# KiCad board beat_sequencer_choc.kicad_pcb (continued)
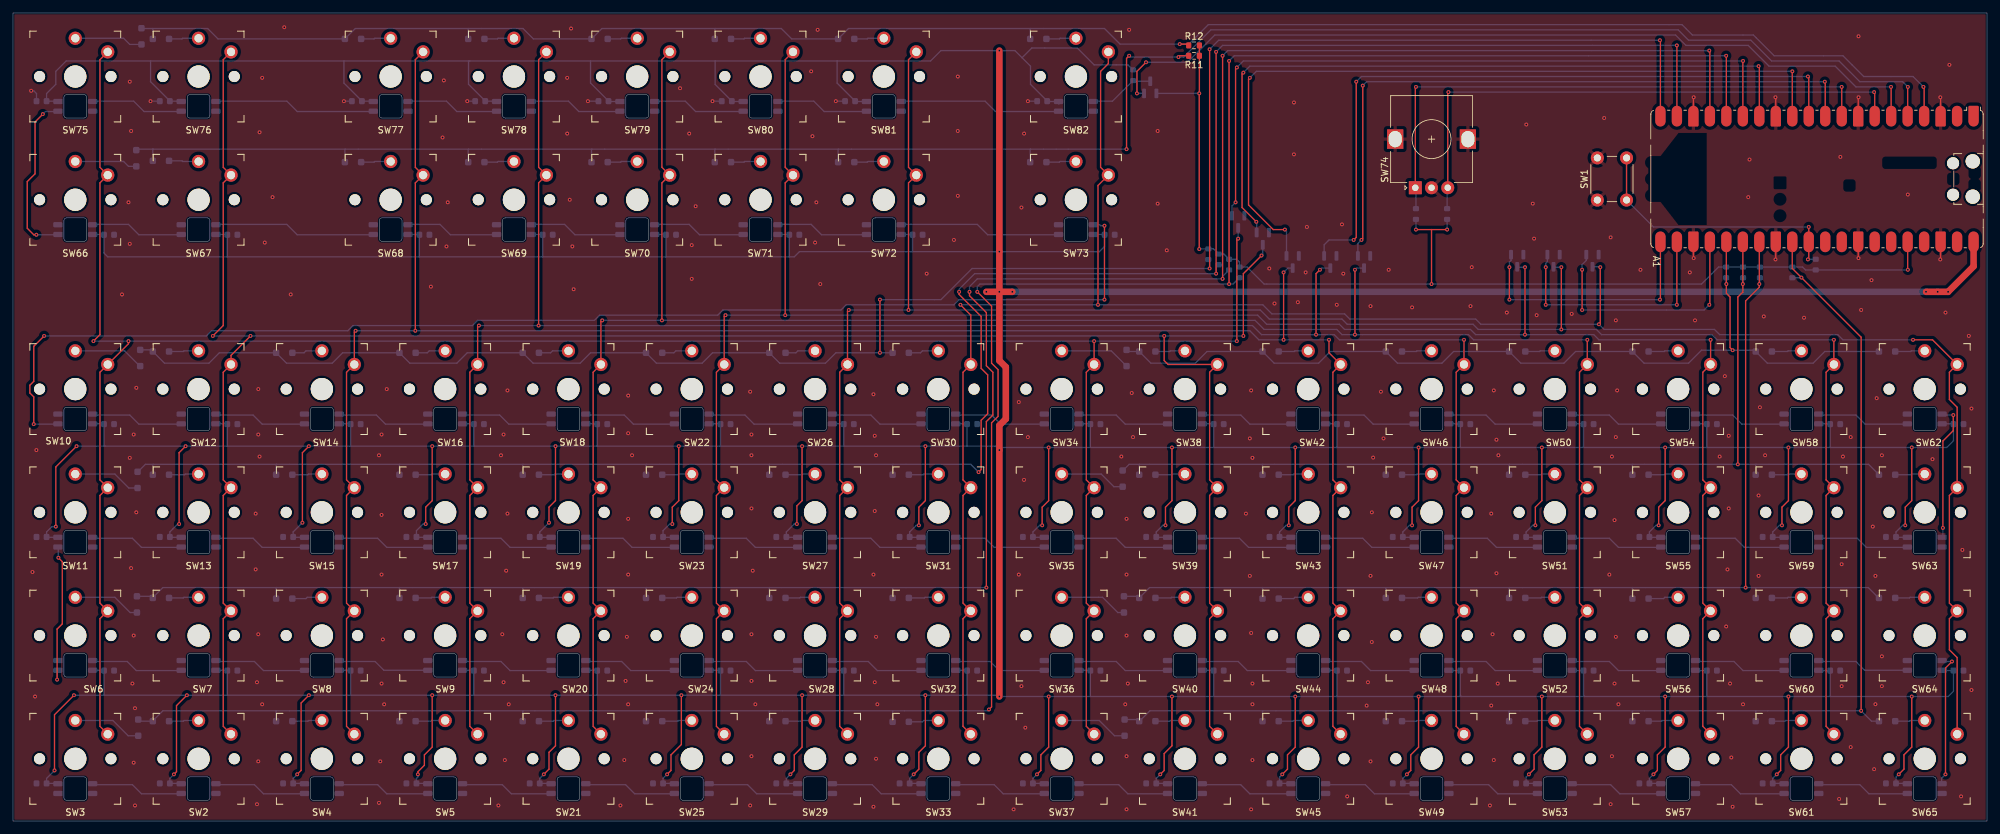
[diagram p0: board, top side]
## Routing (per net, layer and track width the routed paths; a pad name or vN(x,y) marks a point on that pad's centre or on a via; arc(x,y) is an arc through that point) (continued)
R7: length 181.3
  Top w0.2: A1.27 v1(269.11,82.8) 269.11,82.31 267,80.2 v1(267,36)
  Bottom w0.2: 268.6,36 v1(267,36) 249.6,36 ; 268.6,36 268.55,35.95 D151.2 ; 268.6,36 285.9,36 287.5,34.4 D152.2 ; 211.6,36 211.55,35.95 D148.2 ; 211.6,36 192.6,36 ; 211.6,36 230.6,36 ; 230.6,36 230.55,35.95 D149.2 ; 230.6,36 249.6,36 ; 192.6,36 192.55,35.95 D147.2 ; 192.6,36 175.15,36 D146.2 173.3,34.65 D145.2 ; v1(269.11,82.8) 269.2,82.89 R8.2 ; 249.6,36 249.55,35.95 D150.2
R8: length 204.1
  Top w0.2: 284.8,16.8 v1(284.8,17) 284.8,74.6 v1(275.6,83.8) 274.19,85.21 A1.29
  Bottom w0.2: 249.6,17 249.55,16.95 D158.2 ; 249.6,17 268.6,17 ; 249.6,17 230.6,17 ; D155.2 192.55,16.95 192.6,17 ; 268.6,17 v1(284.8,17) 286.4,15.4 D160.2 ; 268.6,17 268.55,16.95 D159.2 ; 192.6,17 175.2,17 173.6,15.4 D154.2 173.3,15.65 D153.2 ; 192.6,17 211.6,17 ; v1(275.6,83.8) 275.58,83.77 R9.2 ; 211.6,17 230.6,17 ; 211.6,17 211.55,16.95 D156.2 ; D157.2 230.55,16.95 230.6,17
R9: length 312.8
  Top w0.2: v1(172,118) 171.6,117.6 v1(171.6,103.6) ; A1.5 291.97,113.17 v1(292,113.2) ; R11.2 179.8,118 v1(179.6,117.8)
  Bottom w0.2: D121.2 19.15,103.6 21.6,103.6 ; 108.2,103.6 108.15,103.55 D126.2 ; 108.2,103.6 89.2,103.6 ; 108.2,103.6 127.2,103.6 ; v1(292,113.2) 291.2,114 284.6,114 281.4,117.2 271,117.2 267.8,120.4 258.2,120.4 256.6,122 184.6,122 180.4,117.8 v1(179.6,117.8) 172.2,117.8 v1(172,118) ; 21.6,103.6 21.55,103.6 D122.2 ; 21.6,103.6 51.2,103.6 ; 89.2,103.6 89.15,103.55 D125.2 ; 89.2,103.6 70.2,103.6 ; 127.2,103.6 156.8,103.6 ; 127.2,103.6 127.15,103.55 D127.2 ; D128.2 156.75,103.55 156.8,103.6 ; 51.2,103.6 51.15,103.55 D123.2 ; 51.2,103.6 70.2,103.6 ; v1(171.6,103.6) 156.8,103.6 ; 70.2,103.6 70.15,103.55 D124.2
R10: length 297.3
  Top w0.2: R12.2 180.97,119.8 v1(179.8,119.8) ; A1.4 294.51,113.09 v1(294.4,113.2)
  Bottom w0.2: 70.2,122.2 52.75,122.2 D115.2 31.6,120.6 30,122.2 21.55,122.2 ; 70.2,122.2 78.6,122.2 80.2,120.6 D117.2 90.75,122.2 108.2,122.2 ; 70.2,122.2 70.15,122.15 D116.2 ; 156.8,122.2 128.75,122.2 D119.2 120,120.6 118.4,122.2 108.2,122.2 ; 156.8,122.2 156.75,122.15 D120.2 ; 156.8,122.2 168.2,122.2 170.6,119.8 v1(179.8,119.8) 181.2,119.8 184.2,122.8 257.2,122.8 258.8,121.2 268.2,121.2 271.4,118 282,118 285.2,114.8 292.8,114.8 v1(294.4,113.2) ; 21.55,122.2 19.85,122.2 D113.2 ; 21.55,122.2 D114.2 ; D118.2 108.15,122.15 108.2,122.2
RENC_A: length 89
  Top w0.2: v1(216.2,113.2) 216.1,113.1 SW74.A ; v1(281.8,113.2) 281.81,113.19 A1.9
  Bottom w0.2: v1(281.8,113.2) v1(216.2,113.2) ; 216.2,94.42 216.2,97.55 SW74.A
RENC_B: length 87.4
  Top w0.2: v1(221.2,112.4) 221.1,112.3 SW74.B ; A1.7 286.89,112.31 v1(286.8,112.4)
  Bottom w0.2: SW74.B 221,97.55 221,94.42 ; v1(286.8,112.4) v1(221.2,112.4)
RST: length 42.6
  Top w0.2: SW1.2 SW1.2 ; v1(276.6,86.6) 276.73,86.73 A1.30 v1(276.73,91.6)
  Bottom w0.2: SW1.2 252.8,91.6 v1(276.73,91.6) ; R1.2 276.62,86.62 v1(276.6,86.6)
Net-(D1-DIN): length 9.7
  Bottom w0.2: 166.87,111 169.42,111 R10.2 172.7,114.07 Q1.3
Net-(D1-DOUT): length 24.2
  Bottom w0.2: 160.82,109.4 151.4,109.4 149.8,111 137.27,111
Net-(D2-DOUT): length 13.6
  Bottom w0.2: 131.22,109.4 125,109.4 123.4,111 118.27,111
Net-(D3-DOUT): length 13.6
  Bottom w0.2: 112.22,109.4 105.2,109.4 103.6,111 99.27,111
Net-(D4-DOUT): length 13.6
  Bottom w0.2: 80.27,111 85.6,111 87.2,109.4 93.22,109.4
Net-(D5-DOUT): length 13.6
  Bottom w0.2: 61.27,111 66.8,111 68.4,109.4 74.22,109.4
Net-(D6-DOUT): length 24.2
  Bottom w0.2: 31.67,111 42.2,111 43.8,109.4 55.23,109.4
Net-(D7-DOUT): length 13.6
  Bottom w0.2: 25.63,109.4 20.2,109.4 18.6,111 12.67,111
Net-(D8-DOUT): length 25.6
  Top w0.2: v1(4.6,109) 3.4,107.8 3.4,99.8 2.2,98.6 2.2,91.4 3.2,90.4 v1(3.6,90.4)
  Bottom w0.2: 6.62,109.4 5,109.4 v1(4.6,109) ; v1(3.6,90.4) 6.62,90.4
Net-(D10-DIN): length 13.6
  Bottom w0.2: 12.68,92 17.8,92 19.4,90.4 25.62,90.4
Net-(D10-DOUT): length 24.2
  Bottom w0.2: 55.22,90.4 43.8,90.4 42.2,92 31.68,92
Net-(D11-DOUT): length 13.6
  Bottom w0.2: 74.22,90.4 67.4,90.4 65.8,92 61.27,92
Net-(D12-DOUT): length 13.6
  Bottom w0.2: 80.28,92 85,92 86.6,90.4 93.22,90.4
Net-(D13-DOUT): length 13.6
  Bottom w0.2: 99.28,92 104.2,92 105.8,90.4 112.22,90.4
Net-(D14-DOUT): length 13.6
  Bottom w0.2: 118.28,92 123,92 124.6,90.4 131.22,90.4
Net-(D15-DOUT): length 24.2
  Bottom w0.2: 137.28,92 148.6,92 150.2,90.4 160.82,90.4
Net-(D16-DOUT): length 196.7
  Top w0.2: v1(4.8,74.8) 3.2,73.2 3.2,67.8 2.6,67.2 2.6,66 3.2,65.4 v1(3.2,61.2) ; v1(168.2,91.8) v1(168.2,80.4)
  Bottom w0.2: v1(168.2,80.4) 145.8,80.4 145,79.6 128.4,79.6 127.6,78.8 109.4,78.8 108.6,78 90.4,78 89.6,77.2 71.6,77.2 70.8,76.4 52.4,76.4 51.6,75.6 30.6,75.6 29.8,74.8 v1(4.8,74.8) ; v1(3.2,61.2) 6.62,61.2 ; v1(168.2,91.8) 167.6,91.8 167.45,91.95 166.82,91.95
Net-(D17-DOUT): length 13.7
  Bottom w0.2: 25.62,61.2 19.4,61.2 18,62.6 12.48,62.6
Net-(D18-DOUT): length 13.7
  Bottom w0.2: 44.62,61.2 38.4,61.2 37,62.6 31.48,62.6
Net-(D19-DOUT): length 13.7
  Bottom w0.2: 63.62,61.2 57.4,61.2 56,62.6 50.48,62.6
Net-(D20-DOUT): length 13.7
  Bottom w0.2: 82.62,61.2 76.4,61.2 75,62.6 69.47,62.6
Net-(D21-DOUT): length 13.7
  Bottom w0.2: 88.47,62.6 94.2,62.6 95.6,61.2 101.62,61.2
Net-(D22-DOUT): length 13.7
  Bottom w0.2: 120.62,61.2 114.2,61.2 112.8,62.6 107.47,62.6
Net-(D23-DOUT): length 13.7
  Bottom w0.2: 126.47,62.6 132.2,62.6 133.6,61.2 139.62,61.2
Net-(D24-DOUT): length 13.7
  Bottom w0.2: 145.47,62.6 150.8,62.6 152.2,61.2 158.62,61.2
Net-(D25-DOUT): length 13.7
  Bottom w0.2: 164.47,62.6 170,62.6 171.4,61.2 177.62,61.2
Net-(D26-DOUT): length 13.7
  Bottom w0.2: 183.47,62.6 189.2,62.6 190.6,61.2 196.62,61.2
Net-(D27-DOUT): length 13.7
  Bottom w0.2: 202.47,62.6 208.2,62.6 209.6,61.2 215.62,61.2
Net-(D28-DOUT): length 13.7
  Bottom w0.2: 234.62,61.2 228.4,61.2 227,62.6 221.47,62.6
Net-(D29-DOUT): length 13.7
  Bottom w0.2: 253.62,61.2 247.4,61.2 246,62.6 240.47,62.6
Net-(D30-DOUT): length 13.7
  Bottom w0.2: 259.48,62.6 265,62.6 266.4,61.2 272.62,61.2
Net-(D31-DOUT): length 13.7
  Bottom w0.2: 278.48,62.6 284,62.6 285.4,61.2 291.62,61.2
Net-(D32-DOUT): length 21.3
  Top w0.2: v1(299,62.6) 299,60.2 297.4,58.6 v1(297.4,45.2)
  Bottom w0.2: v1(299,62.6) 297.48,62.6 ; v1(297.4,45.2) 297.4,43.53
Net-(D33-DOUT): length 13.7
  Bottom w0.2: 291.62,42.2 285.6,42.2 284.2,43.6 278.47,43.6
Net-(D34-DIN): length 13.7
  Bottom w0.2: 278.48,24.6 284,24.6 285.36,23.24 291.58,23.24
Net-(D34-DOUT): length 21.1
  Top w0.2: v1(298.8,24.6) 297.8,23.6 v1(297.8,7.2)
  Bottom w0.2: v1(297.8,7.2) 297.2,6.6 297.2,5.83 D80.4 ; v1(298.8,24.6) 297.43,24.6 D34.2
Net-(D35-DOUT): length 13.7
  Bottom w0.2: 272.62,42.2 266.8,42.2 265.4,43.6 259.47,43.6
Net-(D36-DIN): length 13.7
  Bottom w0.2: 272.62,23.2 266.6,23.2 265.2,24.6 259.48,24.6
Net-(D37-DOUT): length 13.7
  Bottom w0.2: 240.47,43.6 246,43.6 247.4,42.2 253.62,42.2
Net-(D38-DIN): length 13.7
  Bottom w0.2: 240.47,24.6 246,24.6 247.4,23.2 253.62,23.2
Net-(D39-DOUT): length 13.7
  Bottom w0.2: 221.47,43.6 227.2,43.6 228.6,42.2 234.62,42.2
Net-(D40-DIN): length 13.7
  Bottom w0.2: 221.47,24.6 227,24.6 228.4,23.2 234.62,23.2
Net-(D41-DOUT): length 13.7
  Bottom w0.2: 202.47,43.6 208,43.6 209.4,42.2 215.62,42.2
Net-(D42-DIN): length 13.7
  Bottom w0.2: 215.62,23.2 209.2,23.2 207.8,24.6 202.47,24.6
Net-(D43-DOUT): length 13.7
  Bottom w0.2: 183.47,43.6 189,43.6 190.4,42.2 196.62,42.2
Net-(D44-DIN): length 13.7
  Bottom w0.2: 196.62,23.2 190.2,23.2 188.8,24.6 183.47,24.6
Net-(D45-DOUT): length 13.7
  Bottom w0.2: 164.47,43.6 170,43.6 171.4,42.2 177.62,42.2
Net-(D46-DIN): length 13.7
  Bottom w0.2: 177.62,23.2 171.4,23.2 170,24.6 164.47,24.6
Net-(D47-DOUT): length 13.7
  Bottom w0.2: 145.47,43.6 149.8,43.6 151.2,42.2 158.62,42.2
Net-(D48-DIN): length 13.7
  Bottom w0.2: 145.47,24.6 150.6,24.6 152,23.2 158.62,23.2
Net-(D49-DOUT): length 13.7
  Bottom w0.2: 126.47,43.6 132.2,43.6 133.6,42.2 139.62,42.2
Net-(D50-DIN): length 13.7
  Bottom w0.2: 126.47,24.6 131.8,24.6 133.2,23.2 139.62,23.2
Net-(D51-DOUT): length 13.7
  Bottom w0.2: 120.62,42.2 114.4,42.2 113,43.6 107.47,43.6
Net-(D52-DIN): length 13.7
  Bottom w0.2: 120.62,23.2 114.4,23.2 113,24.6 107.47,24.6
Net-(D53-DOUT): length 13.7
  Bottom w0.2: 101.62,42.2 95.4,42.2 94,43.6 88.47,43.6
Net-(D54-DIN): length 13.7
  Bottom w0.2: 88.47,24.6 93.8,24.6 95.2,23.2 101.62,23.2
Net-(D55-DOUT): length 13.7
  Bottom w0.2: 82.62,42.2 76.6,42.2 75.2,43.6 69.47,43.6
Net-(D56-DIN): length 13.7
  Bottom w0.2: 69.47,24.6 75.2,24.6 76.6,23.2 82.62,23.2
Net-(D57-DOUT): length 13.7
  Bottom w0.2: 50.47,43.6 56.2,43.6 57.6,42.2 63.63,42.2
Net-(D58-DIN): length 13.7
  Bottom w0.2: 63.57,23.24 57.16,23.24 55.8,24.6 50.48,24.6
Net-(D59-DOUT): length 13.7
  Bottom w0.2: 44.63,42.2 38.4,42.2 37,43.6 31.47,43.6
Net-(D60-DIN): length 13.7
  Bottom w0.2: 44.62,23.2 38.6,23.2 37.2,24.6 31.48,24.6
Net-(D61-DOUT): length 13.7
  Bottom w0.2: 12.47,43.6 18.4,43.6 19.8,42.2 25.63,42.2
Net-(D62-DIN): length 13.7
  Bottom w0.2: 12.48,24.6 17.6,24.6 19,23.2 25.62,23.2
Net-(D63-DOUT): length 22.6
  Top w0.2: v1(7,40.6) 7.6,40 7.6,30.4 6.8,29.6 v1(6.8,21.8)
  Bottom w0.2: v1(7,40.6) 6.98,40.62 6.98,42.2 D63.2 ; v1(6.8,21.8) 6.8,23.12 6.93,23.24
Net-(D65-DIN): length 13.7
  Bottom w0.2: 12.47,5.6 18.4,5.6 19.8,4.2 25.63,4.2
Net-(D66-DIN): length 13.7
  Bottom w0.2: 44.63,4.2 38.6,4.2 37.2,5.6 31.47,5.6
Net-(D67-DIN): length 13.7
  Bottom w0.2: 63.63,4.2 57.6,4.2 56.2,5.6 50.47,5.6
Net-(D68-DIN): length 13.7
  Bottom w0.2: 69.47,5.6 75.4,5.6 76.8,4.2 82.62,4.2
Net-(D69-DIN): length 13.7
  Bottom w0.2: 88.47,5.6 94.4,5.6 95.8,4.2 101.62,4.2
Net-(D70-DIN): length 13.7
  Bottom w0.2: 107.47,5.6 113.2,5.6 114.6,4.2 120.62,4.2
Net-(D71-DIN): length 13.7
  Bottom w0.2: 126.47,5.6 132.4,5.6 133.8,4.2 139.62,4.2
Net-(D72-DIN): length 13.7
  Bottom w0.2: 158.62,4.2 152.6,4.2 151.2,5.6 145.47,5.6
Net-(D73-DIN): length 13.7
  Bottom w0.2: 177.62,4.2 171.8,4.2 170.4,5.6 164.47,5.6
Net-(D74-DIN): length 13.7
  Bottom w0.2: 183.47,5.6 189.2,5.6 190.6,4.2 196.62,4.2
Net-(D75-DIN): length 13.7
  Bottom w0.2: 215.62,4.2 209.8,4.2 208.4,5.6 202.47,5.6
Net-(D76-DIN): length 13.7
  Bottom w0.2: 234.62,4.2 228.8,4.2 227.4,5.6 221.47,5.6
Net-(D77-DIN): length 13.7
  Bottom w0.2: 253.62,4.2 247.6,4.2 246.2,5.6 240.47,5.6
Net-(D78-DIN): length 13.7
  Bottom w0.2: 272.62,4.2 266.2,4.2 264.8,5.6 259.47,5.6
Net-(D79-DIN): length 13.7
  Bottom w0.2: 278.47,5.6 284.6,5.6 286,4.2 291.62,4.2
Net-(D81-K): length 11
  Bottom w0.2: D81.1 19.55,70.15 17.2,72.5 SW10.1
Net-(D82-K): length 4.6
  Bottom w0.2: D82.1 26.25,72.4 26.35,72.5 SW12.1
Net-(D83-K): length 4.7
  Bottom w0.2: SW14.1 45.15,72.5 44.85,72.2 D83.1
Net-(D84-K): length 4.7
  Bottom w0.2: D84.1 63.85,72.2 64.15,72.5 SW16.1
Net-(D85-K): length 4.7
  Bottom w0.2: SW18.1 83.15,72.5 82.85,72.2 D85.1
Net-(D86-K): length 4.7
  Bottom w0.2: SW22.1 102.15,72.5 101.85,72.2 D86.1
Net-(D87-K): length 4.7
  Bottom w0.2: D87.1 120.65,72.2 120.95,72.5 SW26.1
Net-(D88-K): length 4.7
  Bottom w0.2: D88.1 139.85,72.2 140.15,72.5 SW30.1
Net-(D89-K): length 10.5
  Bottom w0.2: D89.1 17.85,51.35 15.7,53.5 SW11.1
Net-(D90-K): length 4.6
  Bottom w0.2: D90.1 26.45,53.4 26.55,53.5 SW13.1
Net-(D91-K): length 4.6
  Bottom w0.2: D91.1 45.45,53.4 45.55,53.5 SW15.1
Net-(D92-K): length 4.6
  Bottom w0.2: D92.1 64.45,53.4 64.55,53.5 SW17.1
Net-(D93-K): length 4.6
  Bottom w0.2: SW19.1 83.55,53.5 83.45,53.4 D93.1
Net-(D94-K): length 4.6
  Bottom w0.2: D94.1 102.45,53.4 102.55,53.5 SW23.1
Net-(D95-K): length 4.6
  Bottom w0.2: SW27.1 121.55,53.5 121.45,53.4 D95.1
Net-(D96-K): length 4.6
  Bottom w0.2: SW31.1 140.35,53.5 140.25,53.4 D96.1
Net-(D97-K): length 10.5
  Bottom w0.2: SW6.1 15.7,34.5 18.05,32.15 D97.1
Net-(D98-K): length 4.6
  Bottom w0.2: SW7.1 26.35,34.5 26.25,34.4 D98.1
Net-(D99-K): length 4.6
  Bottom w0.2: D99.1 45.15,34.3 45.35,34.5 SW8.1
Net-(D100-K): length 4.6
  Bottom w0.2: SW9.1 64.55,34.5 64.45,34.4 D100.1
Net-(D101-K): length 4.6
  Bottom w0.2: SW20.1 83.35,34.5 83.25,34.4 D101.1
Net-(D102-K): length 4.6
  Bottom w0.2: D102.1 102.25,34.4 102.35,34.5 SW24.1
Net-(D103-K): length 4.6
  Bottom w0.2: D103.1 121.25,34.4 121.35,34.5 SW28.1
Net-(D104-K): length 4.6
  Bottom w0.2: SW32.1 140.55,34.5 140.45,34.4 D104.1
Net-(D105-K): length 10.7
  Bottom w0.2: D105.1 17.75,13.15 15.4,15.5 SW3.1
Net-(D106-K): length 4.6
  Bottom w0.2: SW2.1 26.35,15.5 26.25,15.4 D106.1
Net-(D107-K): length 4.6
  Bottom w0.2: D107.1 45.45,15.4 45.55,15.5 SW4.1
Net-(D108-K): length 4.6
  Bottom w0.2: D108.1 64.45,15.4 64.55,15.5 SW5.1
Net-(D109-K): length 4.6
  Bottom w0.2: SW21.1 83.35,15.5 83.25,15.4 D109.1
Net-(D110-K): length 4.6
  Bottom w0.2: D110.1 102.45,15.4 102.55,15.5 SW25.1
Net-(D111-K): length 4.6
  Bottom w0.2: D111.1 121.45,15.4 121.55,15.5 SW29.1
Net-(D112-K): length 4.6
  Bottom w0.2: SW33.1 140.35,15.5 140.15,15.3 D112.1
Net-(D113-K): length 10.6
  Bottom w0.2: D113.1 18,119.75 17.05,120.7 SW75.1
Net-(D114-K): length 4.6
  Bottom w0.2: SW76.1 26.15,120.7 26.05,120.6 D114.1
Net-(D115-K): length 4.6
  Bottom w0.2: SW77.1 55.75,120.7 55.65,120.6 D115.1
Net-(D116-K): length 4.6
  Bottom w0.2: SW78.1 74.75,120.7 74.65,120.6 D116.1
Net-(D117-K): length 4.6
  Bottom w0.2: SW79.1 93.75,120.7 93.65,120.6 D117.1
Net-(D118-K): length 4.6
  Bottom w0.2: D118.1 112.65,120.6 112.75,120.7 SW80.1
Net-(D119-K): length 4.6
  Bottom w0.2: SW81.1 131.75,120.7 131.65,120.6 D119.1
Net-(D120-K): length 4.6
  Bottom w0.2: D120.1 161.25,120.6 161.35,120.7 SW82.1
Net-(D121-K): length 9.7
  Bottom w0.2: D121.1 17.8,100.95 17.05,101.7 SW66.1
Net-(D122-K): length 4.6
  Bottom w0.2: D122.1 26.05,101.8 26.15,101.7 SW67.1
Net-(D123-K): length 4.6
  Bottom w0.2: D123.1 55.65,101.6 55.75,101.7 SW68.1
Net-(D124-K): length 4.6
  Bottom w0.2: SW69.1 74.75,101.7 74.65,101.6 D124.1
Net-(D125-K): length 4.6
  Bottom w0.2: D125.1 93.65,101.6 93.75,101.7 SW70.1
Net-(D126-K): length 4.6
  Bottom w0.2: SW71.1 112.75,101.7 112.65,101.6 D126.1
Net-(D127-K): length 4.6
  Bottom w0.2: D127.1 131.65,101.6 131.75,101.7 SW72.1
Net-(D128-K): length 4.6
  Bottom w0.2: D128.1 161.25,101.6 161.35,101.7 SW73.1
Net-(D129-K): length 11
  Bottom w0.2: D129.1 169.25,72.5 SW34.1
Net-(D130-K): length 4.6
  Bottom w0.2: D130.1 178.25,72.4 178.35,72.5 SW38.1
Net-(D131-K): length 4.6
  Bottom w0.2: SW42.1 197.55,72.5 197.45,72.4 D131.1
Net-(D132-K): length 4.6
  Bottom w0.2: D132.1 216.25,72.4 216.35,72.5 SW46.1
Net-(D133-K): length 4.6
  Bottom w0.2: SW50.1 235.35,72.5 235.25,72.4 D133.1
Net-(D134-K): length 4.6
  Bottom w0.2: SW54.1 254.55,72.5 254.45,72.4 D134.1
Net-(D135-K): length 4.6
  Bottom w0.2: SW58.1 273.55,72.5 273.45,72.4 D135.1
Net-(D136-K): length 4.6
  Bottom w0.2: SW62.1 292.55,72.5 292.45,72.4 D136.1
Net-(D137-K): length 10.2
  Bottom w0.2: SW35.1 167.7,53.5 169.65,51.55 D137.1
Net-(D138-K): length 4.6
  Bottom w0.2: SW39.1 178.55,53.5 178.45,53.4 D138.1
Net-(D139-K): length 4.6
  Bottom w0.2: D139.1 197.25,53.4 197.35,53.5 SW43.1
Net-(D140-K): length 4.6
  Bottom w0.2: D140.1 216.25,53.4 216.35,53.5 SW47.1
Net-(D141-K): length 4.6
  Bottom w0.2: D141.1 235.45,53.4 235.55,53.5 SW51.1
Net-(D142-K): length 4.6
  Bottom w0.2: D142.1 254.45,53.4 254.55,53.5 SW55.1
Net-(D143-K): length 4.6
  Bottom w0.2: D143.1 273.45,53.4 273.55,53.5 SW59.1
Net-(D144-K): length 4.6
  Bottom w0.2: SW63.1 292.55,53.5 292.45,53.4 D144.1
Net-(D145-K): length 10.6
  Bottom w0.2: D145.1 170.25,32.15 167.9,34.5 SW36.1
Net-(D146-K): length 4.6
  Bottom w0.2: D146.1 178.45,34.4 178.55,34.5 SW40.1
Net-(D147-K): length 4.6
  Bottom w0.2: D147.1 197.35,34.3 197.55,34.5 SW44.1
Net-(D148-K): length 4.6
  Bottom w0.2: SW48.1 216.55,34.5 216.45,34.4 D148.1
Net-(D149-K): length 4.6
  Bottom w0.2: SW52.1 235.55,34.5 235.45,34.4 D149.1
Net-(D150-K): length 4.6
  Bottom w0.2: SW56.1 254.55,34.5 254.35,34.3 D150.1
Net-(D151-K): length 4.6
  Bottom w0.2: D151.1 273.45,34.4 273.55,34.5 SW60.1
Net-(D152-K): length 4.6
  Bottom w0.2: D152.1 292.25,34.4 292.35,34.5 SW64.1
Net-(D153-K): length 10.7
  Bottom w0.2: D153.1 169.75,13.15 167.4,15.5 SW37.1
Net-(D154-K): length 4.6
  Bottom w0.2: D154.1 178.25,15.4 178.35,15.5 SW41.1
Net-(D155-K): length 4.6
  Bottom w0.2: D155.1 197.25,15.4 197.35,15.5 SW45.1
Net-(D156-K): length 4.6
  Bottom w0.2: D156.1 216.25,15.4 216.35,15.5 SW49.1
Net-(D157-K): length 4.6
  Bottom w0.2: D157.1 234.85,15.4 234.95,15.5 SW53.1
Net-(D158-K): length 4.6
  Bottom w0.2: SW57.1 254.15,15.5 254.05,15.4 D158.1
Net-(D159-K): length 4.6
  Bottom w0.2: D159.1 273.05,15.4 273.15,15.5 SW61.1
Net-(D160-K): length 4.6
  Bottom w0.2: SW65.1 292.35,15.5 292.25,15.4 D160.1
Net-(Q2-D): length 368.7
  Top w0.2: SW75.2 13.4,117.4 13.4,100.8 SW66.2 13.4,98.4 13.4,75 v1(12.4,74) ; SW3.2 13.4,14.6 13.4,31.2 SW6.2 13.4,33.6 13.4,50.2 SW11.2 13.4,52.6 13.4,69.2 SW10.2 17.8,73.6 v1(17.8,74) ; v1(188.6,74) 188.6,89.6 v1(188.8,89.8) ; v1(166.6,74) SW34.2 165.4,69.2 165.4,52.6 SW35.2 165.4,50.2 165.4,33.6 SW36.2 165.4,31.2 165.4,14.6 SW37.2
  Bottom w0.2: Q2.3 v1(188.8,89.8) ; v1(188.6,74) v1(166.6,74) v1(17.8,74) v1(12.4,74)
Net-(Q3-D): length 357.9
  Top w0.2: SW41.2 184.4,14.6 184.4,31.2 SW40.2 184.4,33.6 184.4,50.2 SW39.2 184.4,52.6 184.4,69.2 SW38.2 178,70.4 177.4,71 v1(177.4,74.8) ; v1(36.6,74.8) 33.6,71.8 SW12.2 32.4,69.2 32.4,52.6 SW13.2 32.4,50.2 32.4,33.6 SW7.2 32.4,31.2 32.4,14.6 SW2.2 ; v1(30.8,74.8) 32.4,76.4 32.4,98.4 SW67.2 32.4,100.8 32.4,117.4 SW76.2 ; v1(189.6,74.8) 189.6,84.4 v1(192.4,87.2)
  Bottom w0.2: v1(192.4,87.2) 192.6,87.4 Q3.3 ; v1(189.6,74.8) v1(177.4,74.8) v1(36.6,74.8) v1(30.8,74.8)
Net-(Q4-D): length 336.9
  Top w0.2: v1(202.8,74.2) 202.8,72.2 SW42.2 203.4,69.2 203.4,52.6 SW43.2 203.4,50.2 203.4,33.6 SW44.2 203.4,31.2 203.4,14.6 SW45.2 ; v1(52.8,75.6) 52.6,75.4 SW14.2 51.4,69.2 51.4,52.6 SW15.2 51.4,50.2 51.4,33.6 SW8.2 51.4,31.2 51.4,14.6 SW4.2 ; SW77.2 62,117.4 62,100.8 SW68.2 62,98.4 v1(62,75.6) ; v1(195.8,84.6) v1(195.8,74.2)
  Bottom w0.2: Q4.3 196.46,85.26 v1(195.8,84.6) ; v1(202.8,74.2) v1(195.8,74.2) 192,74.2 190.6,75.6 v1(62,75.6) v1(52.8,75.6)
Net-(Q5-D): length 338.2
  Top w0.2: SW49.2 222.4,14.6 222.4,31.2 SW48.2 222.4,33.6 222.4,50.2 SW47.2 222.4,52.6 222.4,69.2 SW46.2 v1(223.6,74.2) ; SW5.2 70.4,14.6 70.4,31.2 SW9.2 70.4,33.6 70.4,50.2 SW17.2 70.4,52.6 70.4,69.2 SW16.2 71.6,76.2 v1(71.8,76.4) ; v1(200.8,75) 200.8,84.4 v1(201.4,85) ; v1(81,76.4) 81,98.4 SW69.2 81,100.8 81,117.4 SW78.2
  Bottom w0.2: v1(71.8,76.4) v1(81,76.4) 191,76.4 192.4,75 v1(200.8,75) 203.6,75 204.4,74.2 v1(223.6,74.2) ; Q5.3 201.66,85.26 v1(201.4,85)
Net-(Q6-D): length 338.1
  Top w0.2: SW53.2 241.4,14.6 241.4,31.2 SW52.2 241.4,33.6 241.4,50.2 SW51.2 241.4,52.6 241.4,69.2 SW50.2 v1(242.6,74.2) ; SW79.2 100,117.4 100,100.8 SW70.2 100,98.4 v1(100,77.2) ; SW21.2 89.4,14.6 89.4,31.2 SW20.2 89.4,33.6 89.4,50.2 SW19.2 89.4,52.6 89.4,69.2 SW18.2 90.6,77 v1(90.8,77.2) ; v1(206.8,85) v1(206.8,75)
  Bottom w0.2: v1(90.8,77.2) v1(100,77.2) 191.4,77.2 192.8,75.8 204,75.8 204.8,75 v1(206.8,75) 224.29,75 225.09,74.2 v1(242.6,74.2) ; Q6.3 207.06,85.26 v1(206.8,85)
Net-(Q7-D): length 338.5
  Top w0.2: SW57.2 260.4,14.6 260.4,31.2 SW56.2 260.4,33.6 260.4,50.2 SW55.2 260.4,52.6 260.4,69.2 SW54.2 v1(261.6,74.2) ; v1(109.8,78) 109.6,77.8 SW22.2 108.4,69.2 108.4,52.6 SW23.2 108.4,50.2 108.4,33.6 SW24.2 108.4,31.2 108.4,14.6 SW25.2 ; v1(233,75) v1(233,85.4) ; SW80.2 119,117.4 119,100.8 SW71.2 119,98.4 v1(119,78)
  Bottom w0.2: v1(261.6,74.2) 244.4,74.2 243.6,75 v1(233,75) 225.4,75 224.6,75.8 205.2,75.8 204.4,76.6 193.2,76.6 191.8,78 v1(119,78) v1(109.8,78) ; v1(233,85.4) 231.86,85.4 Q7.3
Net-(Q8-D): length 338.1
  Top w0.2: v1(280.6,74.2) SW58.2 279.4,69.2 279.4,52.6 SW59.2 279.4,50.2 279.4,33.6 SW60.2 279.4,31.2 279.4,14.6 SW61.2 ; v1(128.8,78.8) 128.6,78.6 SW26.2 127.4,69.2 127.4,52.6 SW27.2 127.4,50.2 127.4,33.6 SW28.2 127.4,31.2 127.4,14.6 SW29.2 ; v1(238.6,75.8) v1(238.6,85.4) ; v1(138,78.8) 138,98.4 SW72.2 138,100.8 138,117.4 SW81.2
  Bottom w0.2: v1(128.8,78.8) v1(138,78.8) 192.2,78.8 193.6,77.4 204.8,77.4 205.6,76.6 225,76.6 225.8,75.8 v1(238.6,75.8) 244,75.8 244.8,75 261.8,75 262.6,74.2 v1(280.6,74.2) ; Q8.3 237.46,85.4 v1(238.6,85.4)
Net-(Q9-D): length 338
  Top w0.2: v1(244.6,85.4) 244.6,76.8 v1(244.4,76.6) ; v1(146,79.6) 147.6,78 SW30.2 146.4,69.2 146.4,52.6 SW31.2 146.4,50.2 146.4,33.6 SW32.2 146.4,31.2 146.4,14.6 SW33.2 ; v1(167.2,79.6) 167.2,98 SW73.2 167.6,100.8 167.6,115.6 168.8,116.8 SW82.2 ; v1(292.8,74.2) 295.8,74.2 SW62.2 298.4,69.2 298.4,65 299.6,63.8 SW63.2 298.4,50.2 298.4,33.6 SW64.2 298.4,31.2 298.4,26.4 299.6,25.2 SW65.2
  Bottom w0.2: Q9.3 244.54,85.46 v1(244.6,85.4) ; v1(292.8,74.2) 282,74.2 281.2,75 263,75 262.2,75.8 245.2,75.8 v1(244.4,76.6) 226.2,76.6 225.4,77.4 206,77.4 205.2,78.2 194,78.2 192.6,79.6 v1(167.2,79.6) v1(146,79.6)

## Copper pours and planes (outline as drawn; the poured copper is in the pictures)
GND on Top, Bottom: 313.8,129.2 -4,130 -12.4,-7.2 323,-12.6
